# KiCad board HPM6E00ADCEVKRevC.kicad_pcb (continued)
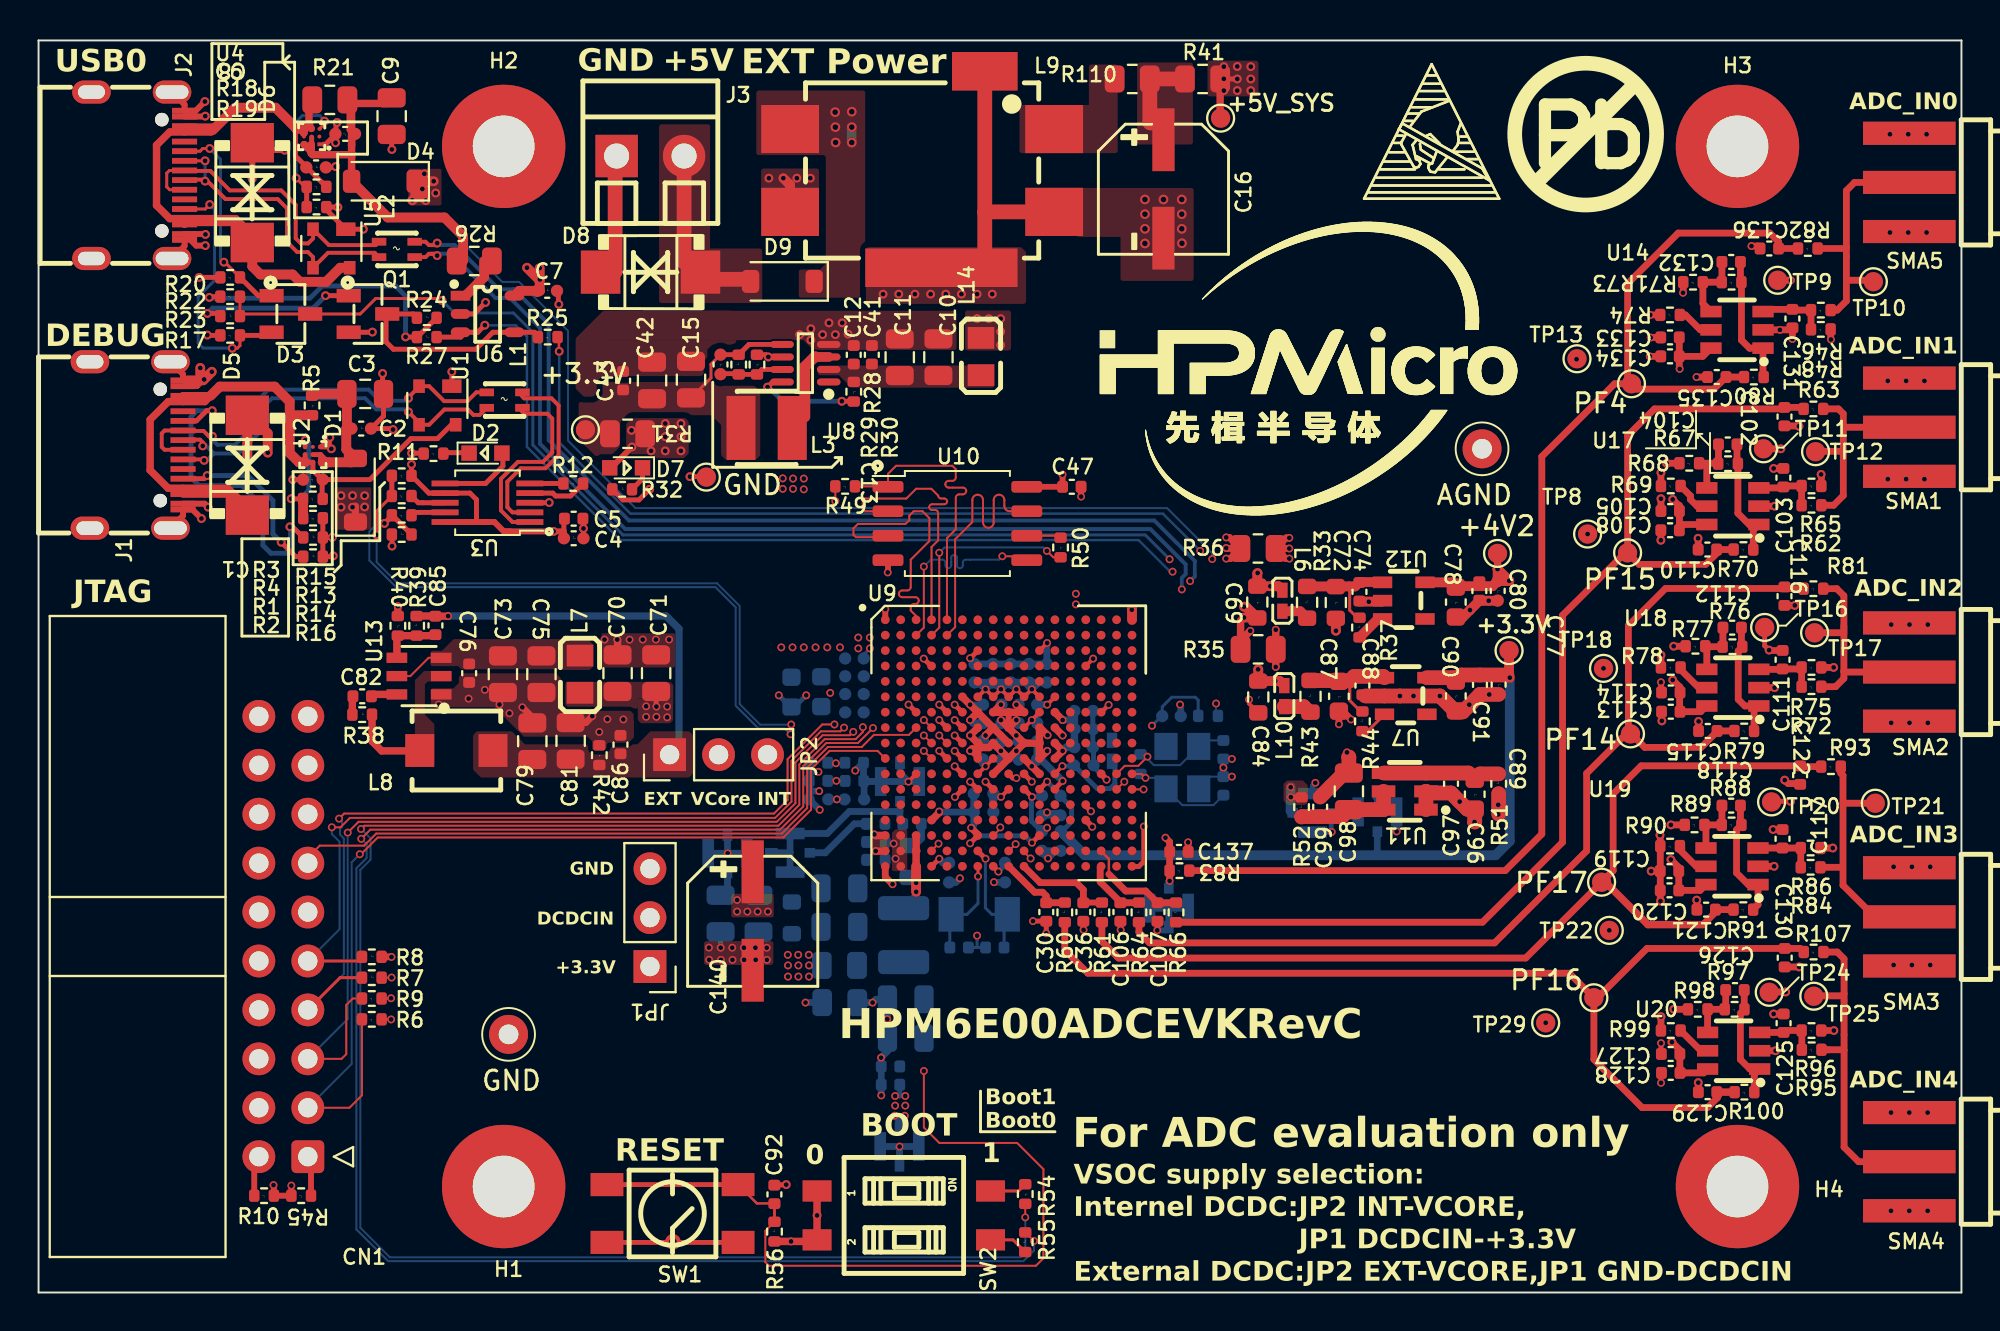
[diagram p0: board, top side]
## Library data of the parts
C1 C6 = -: Description: 0402; Company: SAMSUNG(三星); Model: 0402B104K500NT
C2 C4 C7 C8 C59 C61 C62 C64 = -: Description: 0402; Company: SAMSUNG(三星); Model: CL05A475MP5NRNC
C3 C9-C11 C15 C42 C70 C71 C73 C75 C79 C81 C98 = -: Description: 0805; Company: SAMSUNG(三星); Model: CL21A226MPQNNNE
C5 C12 C22 C23 C25 C28 C31 C33-C35 C37 C40 C41 C43-C58 C60 C63 C65 C68 C74 C76 C80 C83 C86 C88 C91-C93 C97 C99-C101 C105 C113 C119 C124 C127 C133 = -: Description: 0402; Company: SAMSUNG(三星); Model: CL05B104KO5NNNC
C13 C82 C85 = -: Description: 0402; Company: YAGEO(国巨); Model: CC0402JRNPO9BN180
C14 C17-C21 C38 C39 = -: Description: 0603; Company: SAMSUNG(三星); Model: CL10A226MP8NUNE
C16 C140 = -: Description: 电解电容 SMD; Company: ROQANG(容强); Model: RVE1C221M0607
C24 C32 = -: Description: 0603; Company: SAMSUNG(三星); Model: CL10A475KO8NNNC
C26 = -: Description: 0402; Company: SAMSUNG(三星); Model: CL05B222KB5NNNC
C27 C29 C77 C89 = -: Description: 0402; Company: YAGEO(国巨); Model: CC0402KRX7R7BB103
C30 C36 C106 C107 C137 = -: Description: 0402; Company: SAMSUNG(三星); Model: CL05B103KB5NNNC
C66 C67 = -: Description: 0402; Company: YAGEO(国巨); Model: CC0402JRNPO9BN120
C69 C72 C78 C84 C87 C90 = -: Company: SAMSUNG(三星); Model: CL10A106KP8NNNC
C94 C95 = -: Description: 0402; Company: SAMSUNG(三星); Model: CL05C150JB5NNNC
C96 = -: Description: 0402; Company: SAMSUNG(三星); Model: CL05A106MP5NUNC
C102 C110 C115 C116 C121 C122 C129 C130 C135 C136 = -: Description: 0402; ASSY_OPT: DNP; Company: SAMSUNG(三星); Model: CL05B103KB5NNNC
C103 C111 C117 C125 C131 = -: Description: 0402; ASSY_OPT: DNP; Company: YAGEO(国巨); Model: CC0402JRNPO9BN100
C104 C112 C118 C126 C132 = -: Description: 0402; Company: SAMSUNG(三星); Model: CL05B102KB5NNNC
C108 C114 C120 C128 C134 = -: Description: 0402; Company: SAMSUNG(三星); Model: CL05A105KO5NNNC
CN1 = -: SuppliersPartNumber: C93700
D1 D4 D9 = -: Description: 40V,1A; Company: DIODES(美台); Model: 1N5819HW-7-F; SuppliersPartNumber: C115726
D2 = -: Company: 国星光电; Model: NCD0603C1
D3 = -: Description: 肖特基二极管，一输入，同向两输出; Company: DIODES(美台); SuppliersPartNumber: C134401
D5 D6 D8 = -: Description: 瞬态抑制二极管(TVS); Comment: P6SMB6.8CA; Company: Brightking(君耀电子); ComponentLink1Description: 供应商链接; Model: P6SMB6.8CA/TR13; Package: SMB/DO-214AA; Supplier: LC; SuppliersPartNumber: C78395; description: TVS
D7 = -: Company: 国星光电; Model: NCD0603R1
FB1 = -: Description: PZ1608D101-2R0TF; Company: Sunlord(顺络); Model: PZ1608D101-2R0TF
H1-H4 = -: Description: Mounting Hole with connection
J1 J2 = -: Description: kinghelm(金航标); Company: kinghelm(金航标)
J3 = -: Company: DIBO(地博电气); SuppliersPartNumber: C466970; uuid: std:f941f515b5f84499a781072d7f67603b
JP1 JP2 = -: Description: Jumper, 3-pole, pins 1+2 closed/bridged
L1 L2 = -: Description: 共模滤波器; Company: muRata(村田)
L3 = -: Description: SWPA3012S4R7MT; Company: Sunlord(顺络); Model: SWPA3012S4R7MT
L4 = -: Description: DFE322520FD-4R7M=P2; Company: muRata(村田); Model: DFE322520FD-4R7M=P2
L5 L6 L10 = -: Company: muRata(村田); SuppliersPartNumber: C76883; uuid: std:31453510072c4f8e98ec6bbf092c7702
L7 L14 = -: Company: muRata(村田); SuppliersPartNumber: C88990; uuid: std:c6c312cff53c449fa945d85d178df128
L8 = -: SuppliersPartNumber: C2838338; uuid: std:caeaf069acbc4ccdb76acdbd2eaebbe6
L9 = -: Company: muRata(村田); SuppliersPartNumber: C124739; uuid: std:4caaedfd5ace4634969c82584ff1f893
Q1 = -: Description: 场效应管MOSFET, 60V ，115mA; Company: CJ(江苏长电/长晶)
R1 R2 R11 R13-R17 R20 = -: Description: Resistor; Company: UNI-ROYAL(厚声); Model: 0402WGF5101TCE
R3 R4 R6-R9 R18 R19 R23 R24 R27 R28 R32 R37 R38 R44 R45 R56 = -: Description: Resistor; Company: UNI-ROYAL(厚声); Model: 0402WGF1002TCE
R5 R10 R21 R25 R49 = -: Description: Resistor; ASSY_OPT: DNP; Company: UNI-ROYAL(厚声); Model: 0402WGF1002TCE
R12 = -: Description: Resistor; ASSY_OPT: DNP; Company: UNI-ROYAL(厚声); Model: 0402WGF5101TCE
R22 = -: Description: Resistor; Company: UNI-ROYAL(厚声); Model: 0402WGF1003TCE
R26 R31 R35 R36 R41 R59 R85 = -: Description: Resistor; Company: FH(风华); Model: RS-05000JT
R29 R39 R40 R42 = -: Company: UNI-ROYAL(厚声); Model: 0402WGF2003TCE
R30 = -: Description: 44.2K_0402; Company: UNI-ROYAL(厚声); Model: 0402WGF4422TCE
R33 R43 = -: Company: UNI-ROYAL(厚声); Model: 0603WAF100JT5E
R46 R48 R62 R65 R72 R75 R84 R86 R95 R96 = -: Description: Resistor; ASSY_OPT: DNP; Company: UNI-ROYAL(厚声); Model: 0402WGF499JTCE
R47 = -: Description: Resistor; Company: UNI-ROYAL(厚声); Model: 0402WGF100JTCE
R50 = -: Description: Resistor; Company: UNI-ROYAL(厚声); Model: 0402WGF330JTCE
R51 R52 R69 R74 R78 R90 R99 = -: Description: Resistor; Company: YAGEO(国巨); Model: RC0402JR-070RL
R53 = -: Description: Resistor; Company: UNI-ROYAL(厚声); Model: CQ02WGJ0105TCE
R54 R55 R57 R67 R71 R76 R88 R97 = -: Description: Resistor; Company: UNI-ROYAL(厚声); Model: 0402WGF1001TCE
R60 R61 R63 R64 R66 R81-R83 R93 R107 = -: Description: Resistor; Company: UNI-ROYAL(厚声); Model: 0402WGF220KTCE
R68 R73 R77 R89 R98 = -: Description: Resistor; ASSY_OPT: DNP; Company: UNI-ROYAL(厚声); Model: 0402WGF1001TCE
R70 R79 R80 R91 R100 = -: Description: Resistor; ASSY_OPT: DNP; Company: UNI-ROYAL(厚声); Model: 0402WGF220KTCE
R110 = -: Description: Resistor; Company: UNI-ROYAL(厚声); Model: RS-05L1R00FT
SMA1-SMA5 = -: SuppliersPartNumber: C9900018296; uuid: std:54ec4f79ad824cb2bdc504487557a48c
SW1 = -: Company: SHOU HAN(首韩); Model: TS4540TP
SW2 = -: Company: 圜达; SuppliersPartNumber: C501304
TP1 TP4 = -: Company: 荣和; Model: RH-5003
TP2 TP3 TP5-TP7 = -: Description: test point
TP8-TP25 TP29 TP30 = -: Description: test point; Category: Test and Measurement; DK_Datasheet_Link: http://www.keyelco.com/product-pdf.cfm?p=1311; DK_Detail_Page: /product-detail/en/keystone-electronics/5002/36-5002-ND/255328; Digi-Key_PN: 36-5002-ND; Family: Test Points; MPN: 5002; Manufacturer: Keystone Electronics; Status: Active
U1 = -: Description: 静电放电(ESD)保护器件; COMPONENTLINK1DESCRIPTION: ErpDataInfo; COMPONENTLINK1URL: http://erp.zlgmcu.com/ErpExt/ErpData/ListMateriel.aspx?pkey=1.05.10.0153; Company: TECH PUBLIC(台舟); ROHS: RoHS; 厂商: NXP; 名称: 集成电路; 器件优选方案: 量产物料,优先选用; 封装: SOT-143B; 物料代码: 1.05.10.0153; 设备封装名称: SOT-143B_PRTR5V0U2X; 贴片和直插: SMT
U2 U4 = -: Description: 过压保护负载开关; Company: AWINIC(艾为); SuppliersPartNumber: C506184
U3 = -: Description: USB转串口芯片; Company: WCH(南京沁恒)
U5 = -: Description: 静电放电(ESD)保护器件; Company: TECH PUBLIC(台舟)
U6 = -: Description: 功率电子开关; Company: DIODES(美台); SuppliersPartNumber: C110464
U7 = -: Company: TI(德州仪器); Model: TPS7A2042PDBVR; SuppliersPartNumber: C2877861; uuid: std:2e31b5861a784133b2ecb561012a4cf5
U8 = -: Description: DC-DC,降压; Company: MPS; SuppliersPartNumber: C84831; uuid: std:b583fc70ad1663cc24636fba188e0465
U10 = -: Description: NOR FLASH; Company: MXIC(旺宏电子)
U11 = -: Company: TI(德州仪器); SuppliersPartNumber: C882722; uuid: std:0c9ceb81bcbd48178b467e87fa28b230
U12 = -: Company: TI(德州仪器); SuppliersPartNumber: C2877861; uuid: std:86b2ac9aec524e94ada921671f19668d
U13 = -: SuppliersPartNumber: C191884; uuid: std:dbdc426905904fe188ec485df0d8f0d5
U14 U17-U20 = -: Company: TI(德州仪器); SuppliersPartNumber: C495362; uuid: std:90e4ce1759de412d9bf8c9107a5f1053
W1-W3 W5-W8 = -: Company: SHOU HAN(首韩); SuppliersPartNumber: C18222211; uuid: std:3c13f2d8b71f4dfdb888abfcda15d851
X1 = -: Company: EPSON(爱普生); Model: X1E0000210129
X2 = -: Company: EPSON(爱普生); Model: FC-135 32.7680KA-AC

## Footprints (pads in the part's own frame, mm; a bottom-side part is the same pattern mirrored in y, then rotated)
3215
  rect 1.3x1.801 smd: 1(-1.458,0) 2(1.458,0)
3225
  rect 1.4x1.2 smd: 1(-1.1,-0.85) 2(1.1,-0.85) 3(1.1,0.85) 4(-1.1,0.85)
BGA-289_17x17_14.0x14.0mm
  round 0.45 smd: A1(-6.4,6.4) A2(-5.6,6.4) A3(-4.8,6.4) A4(-4,6.4) A5(-3.2,6.4) A6(-2.4,6.4) A7(-1.6,6.4) A8(-0.8,6.4) A9(0,6.4) A10(0.8,6.4) A11(1.6,6.4) A12(2.4,6.4) A13(3.2,6.4) A14(4,6.4) A15(4.8,6.4) A16(5.6,6.4) A17(6.4,6.4) B1(-6.4,5.6) B2(-5.6,5.6) B3(-4.8,5.6) B4(-4,5.6) B5(-3.2,5.6) B6(-2.4,5.6) B7(-1.6,5.6) B8(-0.8,5.6) B9(0,5.6) B10(0.8,5.6) B11(1.6,5.6) B12(2.4,5.6) B13(3.2,5.6) B14(4,5.6) B15(4.8,5.6) B16(5.6,5.6) B17(6.4,5.6) C1(-6.4,4.8) C2(-5.6,4.8) C3(-4.8,4.8) C4(-4,4.8) C5(-3.2,4.8) C6(-2.4,4.8) C7(-1.6,4.8) C8(-0.8,4.8) C9(0,4.8) C10(0.8,4.8) C11(1.6,4.8) C12(2.4,4.8) C13(3.2,4.8) C14(4,4.8) C15(4.8,4.8) C16(5.6,4.8) C17(6.4,4.8) D1(-6.4,4) D2(-5.6,4) D3(-4.8,4) D4(-4,4) D5(-3.2,4) D6(-2.4,4) D7(-1.6,4) D8(-0.8,4) D9(0,4) D10(0.8,4) D11(1.6,4) D12(2.4,4) D13(3.2,4) D14(4,4) D15(4.8,4) D16(5.6,4) D17(6.4,4) E1(-6.4,3.2) E2(-5.6,3.2) E3(-4.8,3.2) E4(-4,3.2) E5(-3.2,3.2) E6(-2.4,3.2) E7(-1.6,3.2) E8(-0.8,3.2) E9(0,3.2) E10(0.8,3.2) E11(1.6,3.2) E12(2.4,3.2) E13(3.2,3.2) E14(4,3.2) E15(4.8,3.2) E16(5.6,3.2) E17(6.4,3.2) F1(-6.4,2.4) F2(-5.6,2.4) F3(-4.8,2.4) F4(-4,2.4) F5(-3.2,2.4) F6(-2.4,2.4) F7(-1.6,2.4) F8(-0.8,2.4) F9(0,2.4) F10(0.8,2.4) F11(1.6,2.4) F12(2.4,2.4) F13(3.2,2.4) F14(4,2.4) F15(4.8,2.4) F16(5.6,2.4) F17(6.4,2.4) G1(-6.4,1.6) G2(-5.6,1.6) G3(-4.8,1.6) G4(-4,1.6) G5(-3.2,1.6) G6(-2.4,1.6) G7(-1.6,1.6) G8(-0.8,1.6) G9(0,1.6) G10(0.8,1.6) G11(1.6,1.6) G12(2.4,1.6) G13(3.2,1.6) G14(4,1.6) G15(4.8,1.6) G16(5.6,1.6) G17(6.4,1.6) H1(-6.4,0.8) H2(-5.6,0.8) H3(-4.8,0.8) H4(-4,0.8) H5(-3.2,0.8) H6(-2.4,0.8) H7(-1.6,0.8) H8(-0.8,0.8) H9(0,0.8) H10(0.8,0.8) H11(1.6,0.8) H12(2.4,0.8) H13(3.2,0.8) H14(4,0.8) H15(4.8,0.8) H16(5.6,0.8) H17(6.4,0.8) J1(-6.4,0) J2(-5.6,0) J3(-4.8,0) J4(-4,0) J5(-3.2,0) J6(-2.4,0) J7(-1.6,0) J8(-0.8,0) J9(0,0) J10(0.8,0) J11(1.6,0) J12(2.4,0) J13(3.2,0) J14(4,0) J15(4.8,0) J16(5.6,0) J17(6.4,0) K1(-6.4,-0.8) K2(-5.6,-0.8) K3(-4.8,-0.8) K4(-4,-0.8) K5(-3.2,-0.8) K6(-2.4,-0.8) K7(-1.6,-0.8) K8(-0.8,-0.8) K9(0,-0.8) K10(0.8,-0.8) K11(1.6,-0.8) K12(2.4,-0.8) K13(3.2,-0.8) K14(4,-0.8) K15(4.8,-0.8) K16(5.6,-0.8) K17(6.4,-0.8) L1(-6.4,-1.6) L2(-5.6,-1.6) L3(-4.8,-1.6) L4(-4,-1.6) L5(-3.2,-1.6) L6(-2.4,-1.6) L7(-1.6,-1.6) L8(-0.8,-1.6) L9(0,-1.6) L10(0.8,-1.6) L11(1.6,-1.6) L12(2.4,-1.6) L13(3.2,-1.6) L14(4,-1.6) L15(4.8,-1.6) L16(5.6,-1.6) L17(6.4,-1.6) M1(-6.4,-2.4) M2(-5.6,-2.4) M3(-4.8,-2.4) M4(-4,-2.4) M5(-3.2,-2.4) M6(-2.4,-2.4) M7(-1.6,-2.4) M8(-0.8,-2.4) M9(0,-2.4) M10(0.8,-2.4) M11(1.6,-2.4) M12(2.4,-2.4) M13(3.2,-2.4) M14(4,-2.4) M15(4.8,-2.4) M16(5.6,-2.4) M17(6.4,-2.4) N1(-6.4,-3.2) N2(-5.6,-3.2) N3(-4.8,-3.2) N4(-4,-3.2) N5(-3.2,-3.2) N6(-2.4,-3.2) N7(-1.6,-3.2) N8(-0.8,-3.2) N9(0,-3.2) N10(0.8,-3.2) N11(1.6,-3.2) N12(2.4,-3.2) N13(3.2,-3.2) N14(4,-3.2) N15(4.8,-3.2) N16(5.6,-3.2) N17(6.4,-3.2) P1(-6.4,-4) P2(-5.6,-4) P3(-4.8,-4) P4(-4,-4) P5(-3.2,-4) P6(-2.4,-4) P7(-1.6,-4) P8(-0.8,-4) P9(0,-4) P10(0.8,-4) P11(1.6,-4) P12(2.4,-4) P13(3.2,-4) P14(4,-4) P15(4.8,-4) P16(5.6,-4) P17(6.4,-4) R1(-6.4,-4.8) R2(-5.6,-4.8) R3(-4.8,-4.8) R4(-4,-4.8) R5(-3.2,-4.8) R6(-2.4,-4.8) R7(-1.6,-4.8) R8(-0.8,-4.8) R9(0,-4.8) R10(0.8,-4.8) R11(1.6,-4.8) R12(2.4,-4.8) R13(3.2,-4.8) R14(4,-4.8) R15(4.8,-4.8) R16(5.6,-4.8) R17(6.4,-4.8) T1(-6.4,-5.6) T2(-5.6,-5.6) T3(-4.8,-5.6) T4(-4,-5.6) T5(-3.2,-5.6) T6(-2.4,-5.6) T7(-1.6,-5.6) T8(-0.8,-5.6) T9(0,-5.6) T10(0.8,-5.6) T11(1.6,-5.6) T12(2.4,-5.6) T13(3.2,-5.6) T14(4,-5.6) T15(4.8,-5.6) T16(5.6,-5.6) T17(6.4,-5.6) U1(-6.4,-6.4) U2(-5.6,-6.4) U3(-4.8,-6.4) U4(-4,-6.4) U5(-3.2,-6.4) U6(-2.4,-6.4) U7(-1.6,-6.4) U8(-0.8,-6.4) U9(0,-6.4) U10(0.8,-6.4) U11(1.6,-6.4) U12(2.4,-6.4) U13(3.2,-6.4) U14(4,-6.4) U15(4.8,-6.4) U16(5.6,-6.4) U17(6.4,-6.4)
C_0402
  round 0.635 smd: 1(-0.508,0) 2(0.508,0)
C_0402_1005Metric
  rrect 0.56x0.62 smd: 1(-0.48,0) 2(0.48,0)
C_0402_1005Metric#2
  round 0.635 smd: 1(-0.48,0) 2(0.48,0)
C_0603_1608Metric
  rrect 0.9x0.95 smd: 1(-0.775,0) 2(0.775,0)
C_0805_2012Metric
  rrect 1x1.45 smd: 1(-0.95,0) 2(0.95,0)
CAP-SMD_BD6.3-L6.6-W6.6-LS7.2-R-RD
  rect 3.26x1.15 smd: 1(2.555,0) 2(-2.555,0)
CONN-TH_2P-P3.50_L7.4-W7.0
  rect 2.2x2.2 hole 1.3: 1(-1.75,0)
  round 2.2 hole 1.3: 2(1.75,0)
D_SOD-123
  rrect 0.9x1.2 smd: 1(-1.65,0) 2(1.65,0)
FCQFN-9
  rect 0.2x0.2 smd: A1(-0.4,0.4)
  round 0.2 smd: A2(0,0.4) A3(0.4,0.4) B1(-0.4,0) B2(0,0) B3(0.4,0) C1(-0.4,-0.4) C2(0,-0.4) C3(0.4,-0.4)
FILTER-SMD_BNX022-01L
  rect 3x2.5 smd: 1(-6.85,2.1) 2(6.85,2.1) 3(-6.85,-2.2) 4(6.85,-2.2)
  rect 3.4x2 smd: 5(3.25,5.1)
  rect 7.9x2 smd: 6(1,-5.1)
IDC-Header_2x10_P2.54mm_Horizontal
  rrect 1.7x1.7 hole 1: 1(0,0)
  round 1.7 hole 1: 2(2.54,0) 3(0,-2.54) 4(2.54,-2.54) 5(0,-5.08) 6(2.54,-5.08) 7(0,-7.62) 8(2.54,-7.62) 9(0,-10.16) 10(2.54,-10.16) 11(0,-12.7) 12(2.54,-12.7) 13(0,-15.24) 14(2.54,-15.24) 15(0,-17.78) 16(2.54,-17.78) 17(0,-20.32) 18(2.54,-20.32) 19(0,-22.86) 20(2.54,-22.86)
IND-SMD_L4.6-W4.1
  rect 1.5x1.7 smd: 1(-1.9,0) 2(1.9,0)
L0402
  rect 0.79x0.54 smd: 1(-0.545,0) 2(0.545,0)
L0805
  rect 1.133x1.377 smd: 1(-0.966,0) 2(0.966,0)
L2012
  rect 0.4x0.75 smd: 1(-0.4,-0.925) 2(-0.4,0.925) 3(0.4,0.925) 4(0.4,-0.925)
L3012
  rect 1.501x3.32 smd: 1(1.328,0) 2(-1.328,0)
L_1210_3225Metric
  rrect 1.25x2.65 smd: 1(-1.4,0) 2(1.4,0)
LED_0603
  rect 0.8x0.8 smd: 1(0.851,0) 2(-0.851,0)
MountingHole_3.2mm_M3_Pad
  round 6.4 hole 3.2: 1(0,0)
MSOP-10
  rect 1.4x0.3 smd: 1(-2.2,1) 2(-2.2,0.5) 3(-2.2,0) 4(-2.2,-0.5) 5(-2.2,-1) 6(2.2,-1) 7(2.2,-0.5) 8(2.2,0) 9(2.2,0.5) 10(2.2,1)
PinHeader_1x03_P2.54mm_Vertical
  rect 1.7x1.7 hole 1: 1(0,0)
  oval 1.7x1.7 hole 1: 2(0,-2.54) 3(0,-5.08)
R_0402_1005Metric
  rrect 0.54x0.64 smd: 1(-0.51,0) 2(0.51,0)
R_0603_1608Metric
  rrect 0.8x0.95 smd: 1(-0.825,0) 2(0.825,0)
R_0805_2012Metric
  rrect 1.025x1.4 smd: 1(-0.912,0) 2(0.912,0)
RF-SMD_IPEX3-TXZ-214
  rect 0.5x0.55 smd: 1(0,1)
  rect 0.6x1.5 smd: 2(-1,-0.025) 3(1,-0.025)
  rect 0.5x0.65 smd: 4(0,-1)
SMA-SMD_BWSMA-KE-P001
  rect 4.8x1.2 smd: 1(0,-2.55) 2(0,2.55) 5(0,0)
  rect 4.8x1.2 smd far side: 3(0,2.55) 4(0,-2.55)
SMB_(DO-214AA)
  rect 2.047x2.241 smd: 1(-2.591,0) 2(2.591,0)
SOIC8_208mil
  rrect 1.6x0.6 smd: 1(-3.6,1.905) 2(-3.6,0.635) 3(-3.6,-0.635) 4(-3.6,-1.905) 5(3.6,-1.905) 6(3.6,-0.635) 7(3.6,0.635) 8(3.6,1.905)
SOT-23
  rect 1.25x0.7 smd: 1(1,-0.95) 2(1,0.95) 3(-1,0)
SOT-23-5
  rect 1.016x0.508 smd: 1(-1.397,0.95)
  oval 1.016x0.508 smd: 2(-1.397,0) 3(-1.397,-0.95) 4(1.397,-0.95) 5(1.397,0.95)
SOT-23-5_L2.9-W1.6-P0.95-LS2.8-BR
  rect 1x0.6 smd: 1(1.1,-0.95) 2(1.1,0) 3(1.1,0.95) 4(-1.1,0.95) 5(-1.1,-0.95)
SOT-23-6_L2.9-W1.6-P0.95-LS2.8-BL
  rect 0.532x1.072 smd: 1(-0.95,-1.149) 2(0,-1.149) 3(0.95,-1.149) 4(0.95,1.149) 5(0,1.149) 6(-0.95,1.149)
SOT-23-6_L2.9-W1.6-P0.95-LS2.8-BR
  rect 1.1x0.6 smd: 1(1.35,-0.95) 2(1.35,0) 3(1.35,0.95) 4(-1.35,0.95) 5(-1.35,0) 6(-1.35,-0.95)
SOT-143
  rect 0.7x1 smd: 1(-1,0.75)
  rect 0.7x0.6 smd: 2(-1,-0.95) 3(1,-0.95) 4(1,0.95)
SW-SMD_DM-02-V
  rect 1.1x1.501 smd: 1(-1.27,-4.501) 2(1.27,-4.501) 3(1.27,4.501) 4(-1.27,4.501)
Test_Point_D1.02mm
  round 2.02 hole 1.02: 1(0,0)
TestPoint_Pad_D1.0mm
  round 1 smd: 1(0,0)
TSOT-23-6_L2.9-W1.6-P0.95-LS2.8-TL
  rect 1.219x0.622 smd: 1(-1.1,0.95) 2(-1.1,0) 3(-1.1,-0.95) 4(1.1,-0.95) 5(1.1,0) 6(1.1,0.95)
TSOT-23-8_L2.9-W1.6-P0.65-LS2.8-BR
  oval 1.222x0.364 smd: 1(1.211,-0.975) 2(1.211,-0.325) 3(1.211,0.325) 4(1.211,0.975) 5(-1.211,0.975) 6(-1.211,0.325) 7(-1.211,-0.325) 8(-1.211,-0.975)
TYPE-C-16P
  round 0.7 hole 0.7 unplated: (-2.89,1.235) (2.89,1.235)
  oval 1.2x2 hole 0.7x1.7: 1(-4.32,1.765) 2(4.32,1.765)
  oval 1.2x2 hole 0.7x1.4: 3(-4.32,-2.415) 4(4.32,-2.415)
  rect 0.3x1.3 smd: A1(-3.35,2.415) A4(-2.55,2.415) A5(-1.25,2.415) A6(-0.25,2.415) A7(0.25,2.415) A8(1.25,2.415) A9(2.55,2.415) A12(3.35,2.415) B1(3.05,2.415) B4(2.25,2.415) B5(1.75,2.415) B6(0.75,2.415) B7(-0.75,2.415) B8(-1.75,2.415) B9(-2.25,2.415) B12(-3.05,2.415)
轻触开关SMD-4P,4.5x4.5mm
  rect 1.699x1.199 smd: 1(-3.401,-1.501) 2(3.401,-1.501) 3(3.401,1.501) 4(-3.401,1.501)

## Nets
5V_Debug: C1.1 D5.2 J1.A4 J1.A9 J1.B4 J1.B9 R3.1 R5.2 U1.4 U2.B3 U2.C2 U2.C3
5V_SYS: C69.1 C70.1 C71.1 C84.1 L6.1 L7.1 L10.1 L14.1 R41.2 TP2.1
+1V2: C79.1 C81.1 C85.1 C86.1 JP2.1 L8.1 R39.2 R42.2
+3.3V: C4.1 C5.1 C40.2 C44.1 C45.1 C46.1 C47.1 C48.1 C49.1 C50.1 C51.1 C52.1 C53.1 C54.1 C56.2 C57.1 C68.1 D7.2 JP1.1 L5.1 R6.1 R7.2 R9.1 R10.1 R15.1 R16.1 R22.2 R24.2 R27.1 R31.1 R45.2 R49.2 R56.1 SW2.1 SW2.2 U3.7 U3.10 U9.F7 U9.F8 U9.F9 U9.F10 U9.F11 U9.G6 U9.G12 U9.H6 U9.J6 U9.J12 U9.K6 U9.K12 U9.U4 U9.U8 U10.8
+3.3VA: C24.1 C27.1 C89.1 C90.1 C91.1 TP6.1 U7.5 U9.M11 W7.1
+4V_OPA: C77.1 C78.1 C80.1 C105.1 C108.1 C113.1 C114.1 C119.1 C120.1 C127.1 C128.1 C133.1 C134.1 R51.1 TP5.1 U12.5 U14.6 U17.6 U18.6 U19.6 U20.6
+5V: C7.1 D1.1 D4.1 D9.1 L9.1 U6.5
GND: C1.2 C2.2 C3.2 C4.2 C5.2 C6.2 C7.2 C8.2 C9.2 C10.2 C11.2 C12.2 C14.2 C15.2 C16.2 C17.2 C18.2 C21.2 C23.2 C31.2 C33.2 C34.2 C35.2 C37.2 C38.2 C39.2 C40.1 C41.2 C42.2 C43.2 C44.2 C45.2 C46.2 C47.2 C48.2 C49.2 C50.2 C51.2 C52.2 C53.2 C54.2 C55.2 C56.1 C57.2 C58.2 C59.2 C60.2 C61.2 C62.2 C63.2 C64.2 C65.2 C66.2 C67.2 C68.2 C69.2 C70.2 C71.2 C73.2 C75.2 C76.2 C79.2 C81.2 C83.2 C84.2 C86.2 C92.2 C93.2 C94.2 C95.2 C100.2 C101.2 C124.2 C140.2 CN1.4 CN1.6 CN1.8 CN1.10 CN1.12 CN1.14 CN1.16 CN1.18 CN1.20 D5.1 D6.1 D8.1 J1.1 J1.2 J1.3 J1.4 J1.A1 J1.A12 J1.B1 J1.B12 J2.1 J2.2 J2.3 J2.4 J2.A1 J2.A12 J2.B1 J2.B12 J3.1 JP1.3 L9.3 L9.4 L9.5 L9.6 Q1.2 R1.2 R2.2 R4.1 R8.2 R11.2 R17.2 R19.1 R20.2 R30.1 R32.1 R35.1 R36.1 R40.1 R42.1 R59.1 R59.2 R85.1 SW1.1 SW1.2 TP1.1 TP7.1 U1.1 U2.A1 U3.3 U4.A1 U5.1 U6.2 U8.4 U8.6 U9.A1 U9.A17 U9.C7 U9.C11 U9.D4 U9.D14 U9.G3 U9.G8 U9.G9 U9.G10 U9.G15 U9.H7 U9.H9 U9.H11 U9.J7 U9.J8 U9.J10 U9.J11 U9.K7 U9.K9 U9.K11 U9.L3 U9.L8 U9.L15 U9.P4 U9.P14 U9.R7 U9.R11 U9.U1 U9.U17 U10.4 U13.1 W2.2 W2.3 W2.4 W3.2 W3.3 W3.4 W6.2 W6.3 W6.4 X1.2 X1.4
GNDA: C24.2 C27.2 C29.2 C30.2 C32.2 C36.2 C72.2 C74.2 C77.2 C78.2 C80.2 C87.2 C88.2 C89.2 C90.2 C91.2 C96.2 C97.2 C98.2 C99.2 C102.2 C103.2 C105.2 C106.2 C107.2 C108.2 C110.2 C111.2 C113.2 C114.2 C115.2 C116.2 C117.2 C119.2 C120.2 C121.2 C122.2 C125.2 C127.2 C128.2 C129.2 C130.2 C131.2 C133.2 C134.2 C135.2 C136.2 C137.2 R35.2 R36.2 R48.1 R65.1 R68.2 R69.2 R73.2 R74.2 R75.1 R77.2 R78.2 R86.1 R89.2 R90.2 R96.1 R98.2 R99.2 SMA1.1 SMA1.2 SMA1.3 SMA1.4 SMA2.1 SMA2.2 SMA2.3 SMA2.4 SMA3.1 SMA3.2 SMA3.3 SMA3.4 SMA4.1 SMA4.2 SMA4.3 SMA4.4 SMA5.1 SMA5.2 SMA5.3 SMA5.4 TP4.1 TP8.1 TP9.1 TP11.1 TP13.1 TP16.1 TP18.1 TP20.1 TP22.1 TP24.1 TP29.1 U7.2 U9.L9 U9.L10 U11.1 U11.2 U12.2 U14.2 U17.2 U18.2 U19.2 U20.2 W5.2 W5.3 W5.4 W7.2 W7.3 W7.4 W8.2 W8.3 W8.4
VBUS: C8.1 C9.1 D4.2 R21.1 R26.2 R57.1 U4.A2 U4.A3 U4.B2
VDD_SOC: C31.1 C33.1 C34.1 C35.1 C37.1 C38.1 C39.1 C83.1 C100.1 C101.1 JP2.2 U9.F6 U9.F12 U9.G7 U9.G11 U9.H8 U9.H10 U9.J9 U9.K8 U9.K10 U9.L7 U9.L11 U9.M12
/HPM6E00ADCEVKRevC MAINENTRY/ADC_Signal_IN/IN0: R62.1 R63.1 SMA1.5 TP12.1
/HPM6E00ADCEVKRevC MAINENTRY/ADC_Signal_IN/IN1: R72.1 R81.1 SMA2.5 TP17.1
/HPM6E00ADCEVKRevC MAINENTRY/ADC_Signal_IN/IN2: R84.1 R93.1 SMA3.5 TP21.1
/HPM6E00ADCEVKRevC MAINENTRY/ADC_Signal_IN/IN3: R95.1 R107.1 SMA4.5 TP25.1
/HPM6E00ADCEVKRevC MAINENTRY/ADC_Signal_IN/IN4: R46.1 R82.1 SMA5.5 TP10.1
/HPM6E00ADCEVKRevC MAINENTRY/DEBUG/DN1: J1.A7 J1.B7 L1.1 U1.2
/HPM6E00ADCEVKRevC MAINENTRY/DEBUG/DP1: J1.A6 J1.B6 L1.4 U1.3
/HPM6E00ADCEVKRevC MAINENTRY/DEBUG/USB2UART_N: L1.2 U3.2
/HPM6E00ADCEVKRevC MAINENTRY/DEBUG/USB2UART_P: L1.3 U3.1
/HPM6E00ADCEVKRevC MAINENTRY/MCU_PB&FLASH/CS0: R49.1 U9.A5 U10.1
/HPM6E00ADCEVKRevC MAINENTRY/MCU_PB&FLASH/D0: U9.B3 U10.5
/HPM6E00ADCEVKRevC MAINENTRY/MCU_PB&FLASH/D1: U9.A4 U10.2
/HPM6E00ADCEVKRevC MAINENTRY/MCU_PB&FLASH/D2: U9.A3 U10.3
/HPM6E00ADCEVKRevC MAINENTRY/MCU_PB&FLASH/D3: U9.B5 U10.7
/HPM6E00ADCEVKRevC MAINENTRY/MCU_PB&FLASH/SCLK: R50.2 U9.B4
/HPM6E00ADCEVKRevC MAINENTRY/MCU_POWER/T1: L4.2 R47.2 U9.R3 U9.T3 U9.U3
/HPM6E00ADCEVKRevC MAINENTRY/MCU_USB&OSC/RESETN: C92.1 R56.2 SW1.3 SW1.4 U9.T4
/HPM6E00ADCEVKRevC MAINENTRY/MCU_USB&OSC/RTC_XI: C95.1 U9.U7 X2.2
/HPM6E00ADCEVKRevC MAINENTRY/MCU_USB&OSC/RTC_XO: C94.1 U9.T7 X2.1
/HPM6E00ADCEVKRevC MAINENTRY/PA0: R14.2 R16.2 U9.K4
/HPM6E00ADCEVKRevC MAINENTRY/PA1: R13.2 R15.2 U9.K5
/HPM6E00ADCEVKRevC MAINENTRY/PA2: R55.2 U9.J4
/HPM6E00ADCEVKRevC MAINENTRY/PA3: R54.2 U9.J5
/HPM6E00ADCEVKRevC MAINENTRY/PA4: CN1.13 U9.H3
/HPM6E00ADCEVKRevC MAINENTRY/PA5: CN1.5 R9.2 U9.H4
/HPM6E00ADCEVKRevC MAINENTRY/PA6: CN1.9 R8.1 U9.H5
/HPM6E00ADCEVKRevC MAINENTRY/PA7: CN1.7 R7.1 U9.G5
/HPM6E00ADCEVKRevC MAINENTRY/PA8: CN1.3 R6.2 U9.K1
/HPM6E00ADCEVKRevC MAINENTRY/PA9: U9.K2
/HPM6E00ADCEVKRevC MAINENTRY/PA10: U9.K3
/HPM6E00ADCEVKRevC MAINENTRY/PA11: U9.J1
/HPM6E00ADCEVKRevC MAINENTRY/PA12: U9.J2
/HPM6E00ADCEVKRevC MAINENTRY/PA13: U9.J3
/HPM6E00ADCEVKRevC MAINENTRY/PA14: U9.H1
/HPM6E00ADCEVKRevC MAINENTRY/PA15: U9.H2
/HPM6E00ADCEVKRevC MAINENTRY/PA16: U9.P1
/HPM6E00ADCEVKRevC MAINENTRY/PA17: U9.P2
/HPM6E00ADCEVKRevC MAINENTRY/PA18: U9.N1
/HPM6E00ADCEVKRevC MAINENTRY/PA19: U9.N2
/HPM6E00ADCEVKRevC MAINENTRY/PA20: U9.M1
/HPM6E00ADCEVKRevC MAINENTRY/PA21: U9.M2
/HPM6E00ADCEVKRevC MAINENTRY/PA22: U9.L1
/HPM6E00ADCEVKRevC MAINENTRY/PA23: U9.L2
/HPM6E00ADCEVKRevC MAINENTRY/PA24: U9.P3
/HPM6E00ADCEVKRevC MAINENTRY/PA25: U9.N3
/HPM6E00ADCEVKRevC MAINENTRY/PA26: U9.N4
/HPM6E00ADCEVKRevC MAINENTRY/PA27: U9.M3
/HPM6E00ADCEVKRevC MAINENTRY/PA28: U9.M4
/HPM6E00ADCEVKRevC MAINENTRY/PA29: U9.M5
/HPM6E00ADCEVKRevC MAINENTRY/PA30: U9.L4
/HPM6E00ADCEVKRevC MAINENTRY/PA31: U9.L5
/HPM6E00ADCEVKRevC MAINENTRY/PB0: U9.G1
/HPM6E00ADCEVKRevC MAINENTRY/PB1: U9.G2
/HPM6E00ADCEVKRevC MAINENTRY/PB2: U9.F1
/HPM6E00ADCEVKRevC MAINENTRY/PB3: U9.F2
/HPM6E00ADCEVKRevC MAINENTRY/PB4: U9.E1
/HPM6E00ADCEVKRevC MAINENTRY/PB5: U9.E2
/HPM6E00ADCEVKRevC MAINENTRY/PB6: U9.D1
/HPM6E00ADCEVKRevC MAINENTRY/PB7: U9.D2
/HPM6E00ADCEVKRevC MAINENTRY/PB8: U9.C1
/HPM6E00ADCEVKRevC MAINENTRY/PB9: U9.C2
/HPM6E00ADCEVKRevC MAINENTRY/PB10: U9.B1
/HPM6E00ADCEVKRevC MAINENTRY/PB11: U9.C3
/HPM6E00ADCEVKRevC MAINENTRY/PB12: U9.G4
/HPM6E00ADCEVKRevC MAINENTRY/PB13: U9.F3
/HPM6E00ADCEVKRevC MAINENTRY/PB14: U9.F4
/HPM6E00ADCEVKRevC MAINENTRY/PB15: U9.E3
/HPM6E00ADCEVKRevC MAINENTRY/PB16: U9.E4
/HPM6E00ADCEVKRevC MAINENTRY/PB17: U9.D3
/HPM6E00ADCEVKRevC MAINENTRY/PB18: U9.F5
/HPM6E00ADCEVKRevC MAINENTRY/PB19: U9.E5
/HPM6E00ADCEVKRevC MAINENTRY/PB20: U9.E6
/HPM6E00ADCEVKRevC MAINENTRY/PB21: U9.D5
/HPM6E00ADCEVKRevC MAINENTRY/PB22: U9.C4
/HPM6E00ADCEVKRevC MAINENTRY/PB23: U9.C5
/HPM6E00ADCEVKRevC MAINENTRY/PB24: U9.A2
/HPM6E00ADCEVKRevC MAINENTRY/PB25: U9.B2
/HPM6E00ADCEVKRevC MAINENTRY/PC0: U9.A6
/HPM6E00ADCEVKRevC MAINENTRY/PC1: U9.B6
/HPM6E00ADCEVKRevC MAINENTRY/PC2: U9.C6
/HPM6E00ADCEVKRevC MAINENTRY/PC3: U9.A7
/HPM6E00ADCEVKRevC MAINENTRY/PC4: U9.B7
/HPM6E00ADCEVKRevC MAINENTRY/PC5: U9.A8
/HPM6E00ADCEVKRevC MAINENTRY/PC6: U9.B8
/HPM6E00ADCEVKRevC MAINENTRY/PC7: U9.A9
/HPM6E00ADCEVKRevC MAINENTRY/PC8: U9.B9
/HPM6E00ADCEVKRevC MAINENTRY/PC9: U9.D6
/HPM6E00ADCEVKRevC MAINENTRY/PC10: U9.D7
/HPM6E00ADCEVKRevC MAINENTRY/PC11: U9.E7
/HPM6E00ADCEVKRevC MAINENTRY/PC12: U9.C8
/HPM6E00ADCEVKRevC MAINENTRY/PC13: U9.D8
/HPM6E00ADCEVKRevC MAINENTRY/PC14: U9.E8
/HPM6E00ADCEVKRevC MAINENTRY/PC15: U9.C9
/HPM6E00ADCEVKRevC MAINENTRY/PC16: U9.D9
/HPM6E00ADCEVKRevC MAINENTRY/PC17: U9.E9
/HPM6E00ADCEVKRevC MAINENTRY/PC18: U9.A10
/HPM6E00ADCEVKRevC MAINENTRY/PC19: U9.B10
/HPM6E00ADCEVKRevC MAINENTRY/PC20: U9.A11
/HPM6E00ADCEVKRevC MAINENTRY/PC21: U9.B11
/HPM6E00ADCEVKRevC MAINENTRY/PC22: U9.A12
/HPM6E00ADCEVKRevC MAINENTRY/PC23: U9.B12
/HPM6E00ADCEVKRevC MAINENTRY/PC24: U9.A13
/HPM6E00ADCEVKRevC MAINENTRY/PC25: U9.B13
/HPM6E00ADCEVKRevC MAINENTRY/PC26: U9.A14
/HPM6E00ADCEVKRevC MAINENTRY/PC27: U9.B14
/HPM6E00ADCEVKRevC MAINENTRY/PC28: U9.A15
/HPM6E00ADCEVKRevC MAINENTRY/PC29: U9.B15
/HPM6E00ADCEVKRevC MAINENTRY/PC30: U9.A16
/HPM6E00ADCEVKRevC MAINENTRY/PC31: U9.B16
/HPM6E00ADCEVKRevC MAINENTRY/PD0: U9.C10
/HPM6E00ADCEVKRevC MAINENTRY/PD1: U9.D10
/HPM6E00ADCEVKRevC MAINENTRY/PD2: U9.E10
/HPM6E00ADCEVKRevC MAINENTRY/PD3: U9.D11
/HPM6E00ADCEVKRevC MAINENTRY/PD4: U9.E11
/HPM6E00ADCEVKRevC MAINENTRY/PD5: U9.C12
/HPM6E00ADCEVKRevC MAINENTRY/PD6: U9.D12
/HPM6E00ADCEVKRevC MAINENTRY/PD7: U9.E12
/HPM6E00ADCEVKRevC MAINENTRY/PD8: U9.C13
/HPM6E00ADCEVKRevC MAINENTRY/PD9: U9.D13
/HPM6E00ADCEVKRevC MAINENTRY/PD10: U9.E13
/HPM6E00ADCEVKRevC MAINENTRY/PD11: U9.C14
/HPM6E00ADCEVKRevC MAINENTRY/PD12: U9.D15
/HPM6E00ADCEVKRevC MAINENTRY/PD13: U9.C15
/HPM6E00ADCEVKRevC MAINENTRY/PD14: U9.B17
/HPM6E00ADCEVKRevC MAINENTRY/PD15: U9.C16
/HPM6E00ADCEVKRevC MAINENTRY/PD16: U9.C17
/HPM6E00ADCEVKRevC MAINENTRY/PD17: U9.D16
/HPM6E00ADCEVKRevC MAINENTRY/PD18: U9.D17
/HPM6E00ADCEVKRevC MAINENTRY/PD19: U9.E16
/HPM6E00ADCEVKRevC MAINENTRY/PD20: U9.E17
/HPM6E00ADCEVKRevC MAINENTRY/PD21: U9.F16
/HPM6E00ADCEVKRevC MAINENTRY/PD22: U9.F17
/HPM6E00ADCEVKRevC MAINENTRY/PD23: U9.E15
/HPM6E00ADCEVKRevC MAINENTRY/PD24: U9.E14
/HPM6E00ADCEVKRevC MAINENTRY/PD25: U9.F15
/HPM6E00ADCEVKRevC MAINENTRY/PD26: U9.F14
/HPM6E00ADCEVKRevC MAINENTRY/PD27: U9.F13
/HPM6E00ADCEVKRevC MAINENTRY/PD28: U9.G14
/HPM6E00ADCEVKRevC MAINENTRY/PD29: U9.G13
/HPM6E00ADCEVKRevC MAINENTRY/PD30: U9.H15
/HPM6E00ADCEVKRevC MAINENTRY/PD31: U9.H14
/HPM6E00ADCEVKRevC MAINENTRY/PE0: U9.G17
/HPM6E00ADCEVKRevC MAINENTRY/PE1: U9.G16
/HPM6E00ADCEVKRevC MAINENTRY/PE2: U9.H17
/HPM6E00ADCEVKRevC MAINENTRY/PE3: U9.H16
/HPM6E00ADCEVKRevC MAINENTRY/PE4: U9.J17
/HPM6E00ADCEVKRevC MAINENTRY/PE5: U9.J16
/HPM6E00ADCEVKRevC MAINENTRY/PE6: U9.K17
/HPM6E00ADCEVKRevC MAINENTRY/PE7: U9.K16
/HPM6E00ADCEVKRevC MAINENTRY/PE8: U9.J15
/HPM6E00ADCEVKRevC MAINENTRY/PE9: U9.J14
/HPM6E00ADCEVKRevC MAINENTRY/PE10: U9.H13
/HPM6E00ADCEVKRevC MAINENTRY/PE11: U9.K15
/HPM6E00ADCEVKRevC MAINENTRY/PE12: U9.K14
/HPM6E00ADCEVKRevC MAINENTRY/PE13: U9.J13
/HPM6E00ADCEVKRevC MAINENTRY/PE14: U9.L14
/HPM6E00ADCEVKRevC MAINENTRY/PE15: U9.L13
/HPM6E00ADCEVKRevC MAINENTRY/PE16: U9.K13
/HPM6E00ADCEVKRevC MAINENTRY/PE17: U9.M15
/HPM6E00ADCEVKRevC MAINENTRY/PE18: U9.M14
/HPM6E00ADCEVKRevC MAINENTRY/PE19: U9.M13
/HPM6E00ADCEVKRevC MAINENTRY/PE20: U9.R17
/HPM6E00ADCEVKRevC MAINENTRY/PE21: U9.R16
/HPM6E00ADCEVKRevC MAINENTRY/PE22: U9.R15
/HPM6E00ADCEVKRevC MAINENTRY/PE23: U9.T17
/HPM6E00ADCEVKRevC MAINENTRY/PE24: U9.T16
/HPM6E00ADCEVKRevC MAINENTRY/PE25: U9.U16
/HPM6E00ADCEVKRevC MAINENTRY/PE26: U9.N17
/HPM6E00ADCEVKRevC MAINENTRY/PE27: U9.N16
/HPM6E00ADCEVKRevC MAINENTRY/PE28: U9.N15
/HPM6E00ADCEVKRevC MAINENTRY/PE29: U9.P17
/HPM6E00ADCEVKRevC MAINENTRY/PE30: U9.P16
/HPM6E00ADCEVKRevC MAINENTRY/PE31: U9.P15
/HPM6E00ADCEVKRevC MAINENTRY/PF0: U9.T13
/HPM6E00ADCEVKRevC MAINENTRY/PF1: U9.N12
/HPM6E00ADCEVKRevC MAINENTRY/PF2: U9.U12
/HPM6E00ADCEVKRevC MAINENTRY/PF3: U9.N13
/HPM6E00ADCEVKRevC MAINENTRY/PF4: C137.1 R83.2 U9.N14 W5.1
/HPM6E00ADCEVKRevC MAINENTRY/PF5: U9.R14
/HPM6E00ADCEVKRevC MAINENTRY/PF6: U9.U11
/HPM6E00ADCEVKRevC MAINENTRY/PF7: U9.R13
/HPM6E00ADCEVKRevC MAINENTRY/PF8: U9.R12
/HPM6E00ADCEVKRevC MAINENTRY/PF9: U9.P13
/HPM6E00ADCEVKRevC MAINENTRY/PF10: U9.U13
/HPM6E00ADCEVKRevC MAINENTRY/PF11: U9.P12
/HPM6E00ADCEVKRevC MAINENTRY/PF12: U9.T14
/HPM6E00ADCEVKRevC MAINENTRY/PF13: U9.U14
/HPM6E00ADCEVKRevC MAINENTRY/PF14: C106.1 R64.2 U9.U15
/HPM6E00ADCEVKRevC MAINENTRY/PF15: C107.1 R66.2 U9.T15
/HPM6E00ADCEVKRevC MAINENTRY/PF16: C30.1 R60.2 U9.U9
/HPM6E00ADCEVKRevC MAINENTRY/PF17: C36.1 R61.2 U9.U10
/HPM6E00ADCEVKRevC MAINENTRY/PF18: R25.1 U9.T10
/HPM6E00ADCEVKRevC MAINENTRY/PF19: U9.T8
/HPM6E00ADCEVKRevC MAINENTRY/PF20: U9.T11
/HPM6E00ADCEVKRevC MAINENTRY/PF21: U9.N11
/HPM6E00ADCEVKRevC MAINENTRY/PF22: D3.3 R22.1 R23.2 U9.T9
/HPM6E00ADCEVKRevC MAINENTRY/PF23: R27.2 U6.3 U9.R8
/HPM6E00ADCEVKRevC MAINENTRY/PF24: U9.P9
/HPM6E00ADCEVKRevC MAINENTRY/PF25: U9.P10
/HPM6E00ADCEVKRevC MAINENTRY/PF26: U9.T12
/HPM6E00ADCEVKRevC MAINENTRY/PF27: U9.P11
/HPM6E00ADCEVKRevC MAINENTRY/PF28: U9.R10
/HPM6E00ADCEVKRevC MAINENTRY/PF29: U9.N10
/HPM6E00ADCEVKRevC MAINENTRY/PF30: U9.N9
/HPM6E00ADCEVKRevC MAINENTRY/PF31: U9.R9
/HPM6E00ADCEVKRevC MAINENTRY/Power/DCDC_3.3V: C13.1 C15.1 C42.1 C43.1 L3.1 R29.2 R31.2 TP3.1 U8.5
/HPM6E00ADCEVKRevC MAINENTRY/Power/SW: L3.2 U8.3
/HPM6E00ADCEVKRevC MAINENTRY/PY0: U9.U6
/HPM6E00ADCEVKRevC MAINENTRY/PY1: U9.T6
/HPM6E00ADCEVKRevC MAINENTRY/PY2: U9.U5
/HPM6E00ADCEVKRevC MAINENTRY/PY3: U9.T5
/HPM6E00ADCEVKRevC MAINENTRY/PY4: U9.R6
/HPM6E00ADCEVKRevC MAINENTRY/PY5: U9.R5
/HPM6E00ADCEVKRevC MAINENTRY/PY6: U9.P5
/HPM6E00ADCEVKRevC MAINENTRY/PY7: U9.N5
/HPM6E00ADCEVKRevC MAINENTRY/PZ0: U9.P8
/HPM6E00ADCEVKRevC MAINENTRY/PZ1: U9.N8
/HPM6E00ADCEVKRevC MAINENTRY/PZ2: U9.P7
/HPM6E00ADCEVKRevC MAINENTRY/PZ3: U9.N7
/HPM6E00ADCEVKRevC MAINENTRY/PZ4: U9.P6
/HPM6E00ADCEVKRevC MAINENTRY/PZ5: U9.N6
/HPM6E00ADCEVKRevC MAINENTRY/USB0_N: L2.3 U9.M17
/HPM6E00ADCEVKRevC MAINENTRY/USB0_P: L2.2 U9.M16
/HPM6E00ADCEVKRevC MAINENTRY/USB/DN: J2.A7 J2.B7 L2.4 U5.3
/HPM6E00ADCEVKRevC MAINENTRY/USB/DP: J2.A6 J2.B6 L2.1 U5.2
/HPM6E00ADCEVKRevC MAINENTRY/USB/VUSB_IN: C6.1 D6.2 J2.A4 J2.A9 J2.B4 J2.B9 R18.1 R21.2 U4.B3 U4.C2 U4.C3 U5.4
DCDC_GND: C19.2 C20.2 C22.2 C25.2 C26.2 C28.2 R85.2 U9.R2 U9.T2 U9.U2 W1.2 W1.3 W1.4 W6.1
DCDC_IN: C19.1 C20.1 C22.1 C25.1 C28.1 FB1.1 U9.R1 U9.T1 W1.1
DCDC_VCore: C18.1 C21.1 C23.1 C124.1 JP2.3 L4.1 U9.M6 W3.1
VREFH: C29.1 C32.1 R52.2 U9.M10 W8.1
Net-(C16-Pad1): C16.1 R41.1 R110.2
Net-(C26-Pad1): C26.1 R47.1
Net-(C82-Pad2): C82.2 R38.1
Net-(C102-Pad1): C102.1 C110.1 R63.2 R66.1 R70.2 TP15.1
Net-(C115-Pad1): C115.1 C116.1 R64.1 R79.2 R81.2 TP19.1
Net-(C121-Pad1): C121.1 C122.1 R61.1 R91.2 R93.2 TP23.1
Net-(C129-Pad1): C129.1 C130.1 R60.1 R100.2 R107.2 TP30.1
Net-(C135-Pad1): C135.1 C136.1 R80.2 R82.2 R83.1 TP14.1
Net-(CN1-Pad1): CN1.1 R45.1
Net-(CN1-Pad2): CN1.2 R10.2
Net-(D1-A): C2.1 C3.1 D1.2 R5.1 U2.A2 U2.A3 U2.B2
Net-(D2-A): D2.2 U3.6
Net-(D2-K): D2.1 R11.1
Net-(D7-K): D7.1 R32.2
Net-(D9-A): D8.2 D9.2 J3.2
Net-(J1-CC1): J1.A5 R1.1
Net-(J1-CC2): J1.B5 R2.1
Net-(J2-CC1): D3.1 J2.A5 R20.1
Net-(J2-CC2): D3.2 J2.B5 R17.1
Net-(JP1-C): C14.1 C17.1 C140.1 FB1.2 JP1.2 W2.1
Net-(L6-Pad2): L6.2 R33.1
Net-(L9-CB): L9.2 R110.1
Net-(L10-Pad2): L10.2 R43.1
Net-(Q1-D): Q1.3 R24.1 R25.2 U6.4
Net-(Q1-G): Q1.1 R23.1
Net-(SW2-PIN3): R55.1 SW2.3
Net-(SW2-PIN4): R54.1 SW2.4
Net-(U2-OVLO): R3.2 R4.2 U2.C1
Net-(U3-RXD): R14.1 U3.9
Net-(U3-TXD): R13.1 U3.8
Net-(U3-~{CTS}): R12.2 U3.5
Net-(U3-~{RTS}): R12.1 U3.4
Net-(U4-OVLO): R18.2 R19.2 U4.C1
Net-(U6-OUT): R26.1 U6.1
Net-(U7-EN): R44.1 U7.3
Net-(U7-IN): C87.1 C88.1 R43.2 R44.2 U7.1
Net-(U8-EN): R28.2 U8.8
Net-(U8-FB): C13.2 R29.1 R30.2 U8.7
Net-(U8-VIN): C10.1 C11.1 C12.1 C41.1 L14.2 R28.1 U8.2
Net-(U9C-USB0_VBUS): C93.1 R57.2 U9.H12
Net-(U9C-XTALI): C66.1 R53.2 U9.L17 X1.3
Net-(U9C-XTALO): C67.1 R53.1 U9.L16 X1.1
Net-(U9O-VIO_B12): C55.1 L5.2 U9.L12
Net-(U9P-VDD_OTPCAP): C62.1 C63.1 U9.M8
Net-(U9P-VDD_PHY0CAP): C60.1 C61.1 U9.M7
Net-(U9P-VDD_PHY1CAP): C58.1 C59.1 U9.L6
Net-(U9P-VDD_PMCCAP): C64.1 C65.1 U9.M9
Net-(U10-CLK): R50.1 U10.6
Net-(U11-ENABLE): C96.1 C97.1 R51.2 U11.3 U11.4
Net-(U11-OUT_F): C98.1 C99.1 R52.1 U11.5 U11.6
Net-(U12-EN): R37.1 U12.3
Net-(U12-IN): C72.1 C74.1 R33.2 R37.2 U12.1
Net-(U13-BOOT): C82.1 U13.6
Net-(U13-EN): C73.1 C75.1 C76.1 L7.2 U13.3 U13.5
Net-(U13-FB): C85.2 R39.1 R40.2 U13.4
Net-(U13-SW): L8.2 R38.2 U13.2
Net-(U14-+IN): C131.1 R46.2 R48.2 U14.3
Net-(U14--IN): C132.2 R71.2 R73.1 U14.4
Net-(U14-MODE): R74.1 U14.5
Net-(U14-OUT): C132.1 R71.1 R80.1 U14.1
Net-(U17-+IN): C103.1 R62.2 R65.2 U17.3
Net-(U17--IN): C104.2 R67.2 R68.1 U17.4
Net-(U17-MODE): R69.1 U17.5
Net-(U17-OUT): C104.1 R67.1 R70.1 U17.1
Net-(U18-+IN): C111.1 R72.2 R75.2 U18.3
Net-(U18--IN): C112.2 R76.2 R77.1 U18.4
Net-(U18-MODE): R78.1 U18.5
Net-(U18-OUT): C112.1 R76.1 R79.1 U18.1
Net-(U19-+IN): C117.1 R84.2 R86.2 U19.3
Net-(U19--IN): C118.2 R88.2 R89.1 U19.4
Net-(U19-MODE): R90.1 U19.5
Net-(U19-OUT): C118.1 R88.1 R91.1 U19.1
Net-(U20-+IN): C125.1 R95.2 R96.2 U20.3
Net-(U20--IN): C126.2 R97.2 R98.1 U20.4
Net-(U20-MODE): R99.1 U20.5
Net-(U20-OUT): C126.1 R97.1 R100.1 U20.1

Pads without a net: CN1 11 15 17 19; H1 1; H2 1; H3 1; H4 1; J1 A8 B8; J2 A8 B8; U2 B1; U4 B1; U7 4; U8 1; U9 R4; U12 4

## Via types
v1: diameter 0.457, hole 0.254, Top to Bottom, 206 vias
v2: diameter 0.406, hole 0.254, Top to Bottom, 286 vias
v3: diameter 0.5, hole 0.3, Top to Bottom, 16 vias
